# Altium PCB T1_Card.PcbDoc (part 2 of 6)
Units mil, origin at the board's own origin, x right, y up, seen from the top; angles counter-clockwise.
Board outline 3700.79 x 3582.68 mil, 6 copper layers (Layer 1, Layer 2, Layer 3, Layer 4, Layer 5, Layer 6), stack 65.8 mil thick; 365 components, 265 nets, 1177 pads, 1027 vias.
Unrouted connection lines stored in the file: 4.
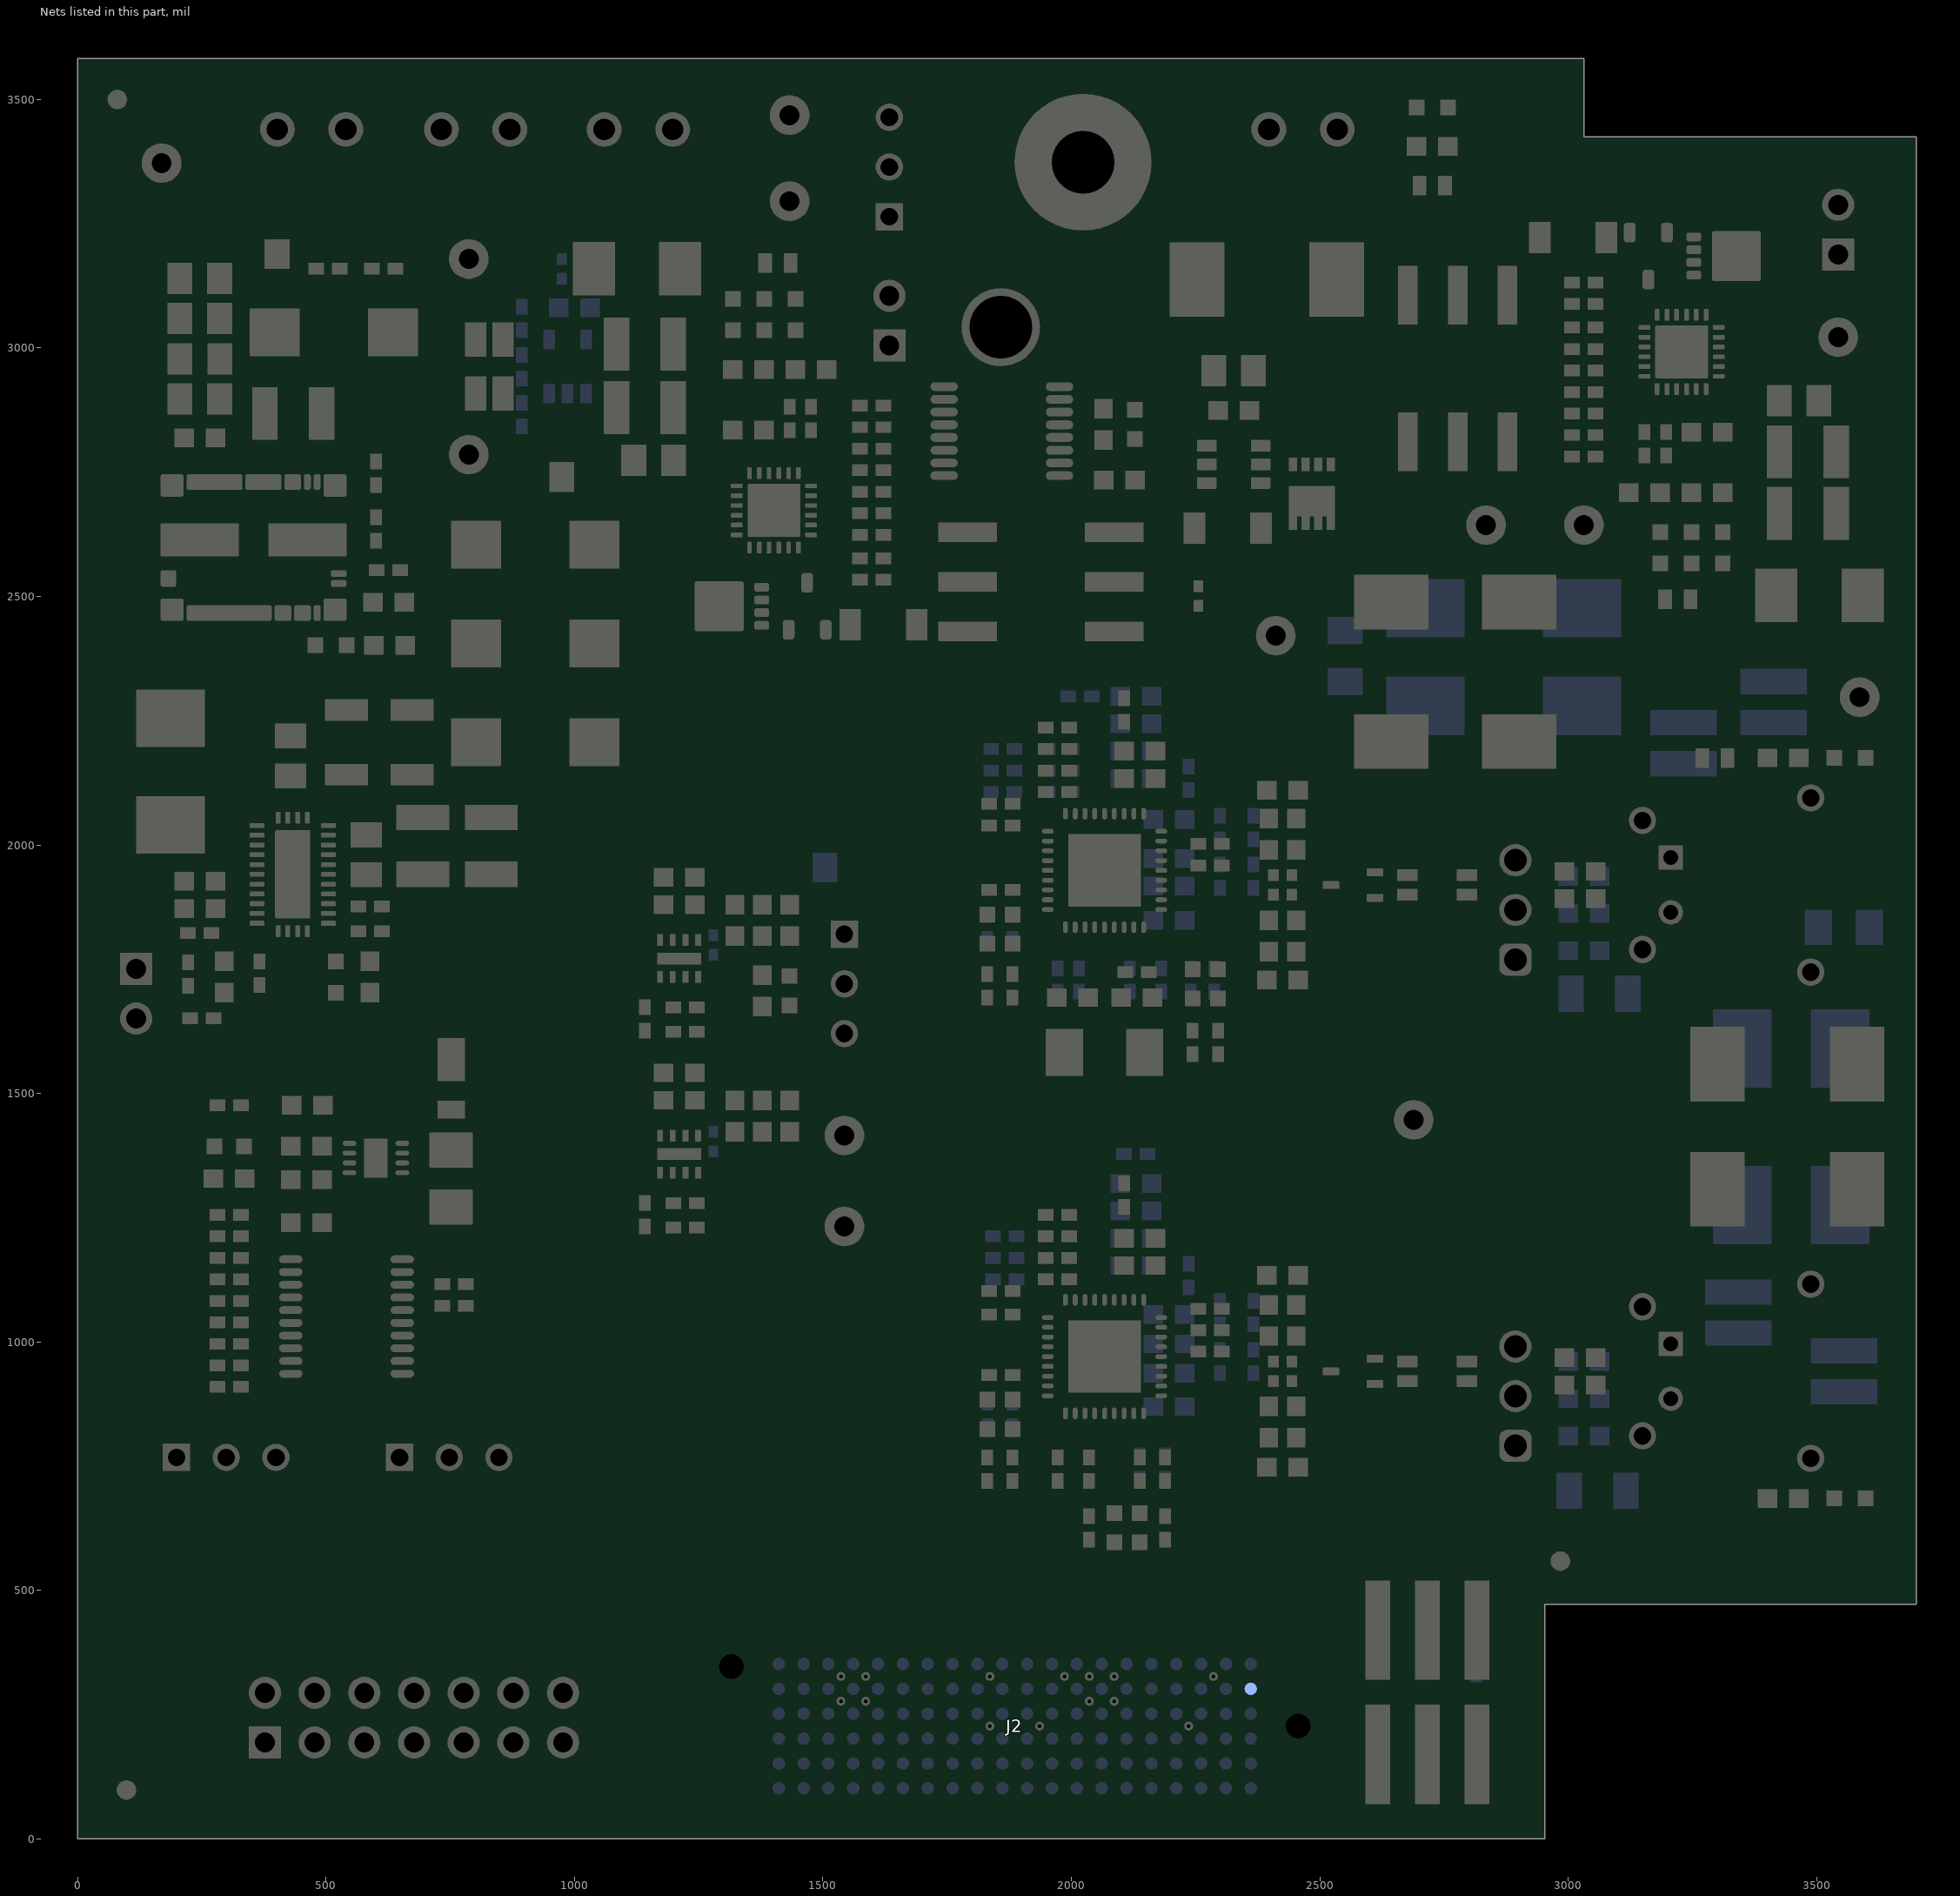
[diagram p6: the nets of this part, all layers, seen from the top]

## Footprints (in the part's own frame and the unit in brackets; to place one, negate y for a bottom-side part, rotate by r counter-clockwise, add the part's x,y. Pads: shape width x height; smd on the part's side, far side on the other; paste and mask are expansions set on the pad) (continued)
1206_190 [mm] "1206_190"
  rect 1.1x1.6 smd: 1(-1.7,0) 2(1.7,0)
  silkscreen extent -0.9,-1 0.9,1, body extent -1.75,-0.95 1.75,0.95, height 1.9
1210_220 [mm] "1210"
  rect 1.3x2.7 smd: 1(-1.45,0) 2(1.45,0)
  silkscreen extent -2.32,-1.57 2.32,1.57, body extent -1.7,-1.35 1.7,1.35, height 2.2
1210_270 [mm] "1210"
  rect 1.3x2.7 smd: 1(-1.45,0) 2(1.45,0)
  silkscreen extent -2.32,-1.57 2.32,1.57, body extent -1.7,-1.35 1.7,1.35, height 2.7
1210_280 [mm] "SMD, 2-Leads, Body 3.6x2.8mm, Height 2.8mm"
  rect 1.1x2.2 smd: 1(-1.65,0) 2(1.65,0)
  silkscreen extent -0.84,-1.4 0.84,1.4, body extent -1.8,-1.4 1.8,1.4, height 2.8
3216-18 [mm] "Based on AVX recommendation in http://www.avx.com/download/software/literature/AVX-Footprint-Library.pdf"
  rrect7% 1.4x1.8 smd: 1(-1.3,0) 2(1.3,0)
  silkscreen extent -1.9,-1.12 0.8,1.12, body extent -1.7,-0.9 1.7,0.9, height 1.82
3528-21 [mm] "Medium Density IPC, based on Kemet datasheet 2016-10-20"
  rrect6% 1.8x2.23 smd: 1(-1.46,0) 2(1.46,0)
  silkscreen extent -2.29,-1.5 0.76,1.5, body extent -1.85,-1.5 1.85,1.5, height 2.12
7343-31 [mm] "Medium Density based on Kemet T495 dimensions"
  rect 2.55x2.45 smd: 1(-3.025,0) 2(3.025,0)
  silkscreen extent -4.56,-2.3 3.8,2.3, body extent -3.8,-2.3 3.8,2.3, height 3.1
Apem_P36S10x [mm] "Apem Inc."
  rect 3x1 smd: 1(-3.75,2.54) 2(3.75,-2.54) 4(-3.75,-2.54) 8(3.75,2.54) C1(-3.75,0) C2(3.75,0)
  silkscreen extent -4.6,-3.7 3.7,3.78, body extent -3.7,-3.7 3.7,3.7, height 3.86
CONN_1751248 [mil] "Phoenix Contact"
  round 70 hole 43.31: 1(-68.9,0) 2(68.9,0)
  silkscreen extent -148,-142 148,146, body extent -148,-142 148,146, height 335
CONN_SBH11-PBPC-D07-ST-BK [mm] "Sullins recommended land pattern"
  rect 1.65x1.65 hole 1.016 mask+0: 1(-7.62,-1.27)
  round 1.65 hole 1.016 mask+0: 2(-7.62,1.27) 3(-5.08,-1.27) 4(-5.08,1.27) 5(-2.54,-1.27) 6(-2.54,1.27) 7(0,-1.27) 8(0,1.27) 9(2.54,-1.27) 10(2.54,1.27) 11(5.08,-1.27) 12(5.08,1.27) 13(7.62,-1.27) 14(7.62,1.27)
  silkscreen extent -12.64,-5.08 12.64,4.7, body extent -12.64,-4.4 12.64,4.7, height 9.12
DBV0005A_N [mm] "SOT23, 5-Leads, Body 2.9x1.6mm, Pitch 0.95mm, Lead Span 2.8mm, IPC Medium Density"
  rrect17% 1x0.6 smd: 1(-1.375,0.95) 2(-1.375,0) 3(-1.375,-0.95) 4(1.375,-0.95) 5(1.375,0.95)
  silkscreen extent -0.25,-1.55 0.25,1.55, body extent -1.42,-1.46 1.42,1.46, height 1.09
DBV0006A_N [mm] "SOT23, 6-Leads, Body 2.9x1.6mm, Pitch 0.95mm, Lead Span 2.8mm, IPC Medium Density"
  rrect17% 1x0.6 smd: 1(-1.375,0.95) 2(-1.375,0) 3(-1.375,-0.95) 4(1.375,-0.95) 5(1.375,0) 6(1.375,0.95)
  silkscreen extent -1.68,-1.55 0.5,1.55, body extent -1.42,-1.46 1.42,1.46, height 1.12
DCK0003A_N [mm] "SOT23, 3-Leads, Body 2.0x1.25mm, Pitch 0.65mm, Lead Span 2.1mm, IPC Medium Density"
  rrect25% 0.85x0.4 smd: 1(-1.125,0.65) 2(-1.125,-0.65) 3(1.125,0)
  silkscreen extent -1.02,-1.1 0.7,1.52, body extent -1.06,-1 1.06,1, height 1.1
Diode_0603 [mm] "Based on Bourns recommended land pattern Rev 10/09"
  rect 0.7x1 smd: 1(-0.65,0) 2(0.65,0)
  silkscreen extent -1.5,-0.8 0.9,0.8, body extent -0.9,-0.5 0.9,0.5, height 0.85
DQG0008A [mm] "SMD, 8-Leads, Body 3.3x3.3mm, Pitch 0.65mm"
  rrect45% 0.75x0.44 smd paste-0.05 mask-0.05: 1(-1.525,0.975) 2(-1.525,0.325) 3(-1.525,-0.325) 4(-1.525,-0.975) 5(1.525,-0.975) 6(1.525,-0.325) 7(1.525,0.325) 8(1.525,0.975)
  rrect15% 0.676x1.125 on Top Paste: 9(-0.212,-0.663) 9(-0.212,0.662) 9(0.664,-0.663) 9(0.664,0.662)
  rrect6% 1.775x2.45 on Top Solder: 9(0.327,0)
  rrect8% 2.5x2.55 smd paste-1.5 mask-1.5: 9(0.65,0)
  rrect29% 0.5x0.34 on Top Solder: 9(1.175,-0.975) 9(1.175,-0.325) 9(1.175,0.325) 9(1.175,0.975)
  silkscreen extent -1.8,-1.8 1.8,1.8, body extent -1.65,-1.65 1.65,1.65, height 1.1
DRG0008A [mm] "SON, 8-Leads, Body 3x3mm, Pitch 0.5mm, Thermal Pad 2x1.2mm, TI Recommended"
  oval 0.7x0.25 smd: 1(-1.35,0.75) 2(-1.35,0.25) 3(-1.35,-0.25) 4(-1.35,-0.75) 5(1.35,-0.75) 6(1.35,-0.25) 7(1.35,0.25) 8(1.35,0.75)
  rect 1.2x2 smd paste-0.6: 9(0,0)
  Drill Guide keep-out region: 0.6,-1 -0.6,-1 -0.6,-1.3 0.6,-1.3
  Drill Guide keep-out region: -0.6,1 0.6,1 0.6,1.3 -0.6,1.3
  silkscreen extent -1.7,-1.7 1.7,1.7, body extent -1.55,-1.55 1.55,1.55, height 0.81
FCC_disclaimer [mil]
Fiducial10-20 [mm]
  round 1 smd mask+0.5: 1(0,0)
  Layer 1 keep-out circle w1.178: c0,0 r0.5
Fischer_SL-11-112-03G [mm] "TH, 3-Leads, Body 2.5x7.62mm, Pitch 2.54mm"
  rect 1.4x1.4 hole 0.9: 1(-2.54,0)
  round 1.4 hole 0.9: 2(0,0) 3(2.54,0)
  silkscreen extent -4.58,-1.25 3.81,1.25, body extent -3.81,-1.25 3.81,1.25, height 8.4
FP-7448991068_SMT_10MM0_10MM0-MFG [mm]
  rrect3% 3x4 smd paste+0 mask+0: 1(-2.5,4) 2(-2.5,-4) 3(2.5,-4) 4(2.5,4)
  body extent -5,-5.35 5,5.35, height 4.13
FP-09452812800_HDR2-MFG#1 [mm]
  rrect8% 1.25x1.25 hole 0.75 paste-1000 mask+0: 1(1.4,5.4)
  round 1.25 hole 0.75 paste-1000 mask+0: 2(-1.4,5.4)
  round 1.4 hole 0.9 paste-1000 mask+0: 3(-3.3,6.85) 4(3.3,6.85) 5(-4.45,-1.75) 6(4.45,-1.75)
  body extent -5.25,-7.1 5.25,7.65, height 0.25
FP-09452812800_HDR2-MFG#2 [mm]
  rrect8% 1.25x1.25 hole 0.75 paste-1000 mask+0: 1(1.4,5.4)
  round 1.25 hole 0.75 paste-1000 mask+0: 2(-1.4,5.4)
  round 1.4 hole 0.9 paste-1000 mask+0: 3(-3.3,6.85) 5(-4.45,-1.75) 6(4.45,-1.75)
  round 1.4 hole 0.9 paste+0 mask+0: 4(3.3,6.85)
  body extent -5.25,-7.1 5.25,7.65, height 0.25
FP-DLW32MH201XK2_1210-MFG [mm]
  rect 1.05x0.6 smd paste+0 mask+0: 1(-1.525,-0.5) 2(1.525,-0.5) 3(1.525,0.5) 4(-1.525,0.5)
  body extent -2.15,-1.45 2.15,1.45, height 0.25
GCD-Logo_5.5x5.5_SolderMask [mil] "GCD-Logo, 5.55x5.55mm, SolderMask, 80µm, positive"
  Layer 1 region: -117.99,-117.99 118.23,-117.99 118.23,118.23 -117.99,118.23
IND_LQG15H [mm] "MuRata"
  rect 0.55x0.6 smd: 1(-0.475,0) 2(0.475,0)
  silkscreen extent -1.3,-0.3 -0.95,0.3, body extent -0.52,-0.27 0.52,0.27, height 0.55
Keystone5000 [mil] "For Keystone 500x miniature loop terminals"
  round 80 hole 40: 1(0,0)
  silkscreen extent -52,-52 52,52, body extent -49,-49 49,49, height 182
Keystone5001 [mil] "For Keystone 500x miniature loop terminals"
  round 80 hole 40: 1(0,0)
  silkscreen extent -52,-52 52,52, body extent -49,-49 49,49, height 182
Keystone5002 [mil] "For Keystone 500x miniature loop terminals"
  round 80 hole 40: 1(0,0)
  silkscreen extent -52,-52 52,52, body extent -49,-49 49,49, height 182
Label_650x200 [mil] "Thermal Transfer Label"
  round 1 on Mech13: 0(0,0)
  silkscreen extent -325,-100 325,100, body extent -325,-100 325,100, height 1
LED_LTST-C190_G [mm] "Lite-On"
  rect 0.8x0.8 smd: 1(-0.75,0) 2(0.75,0)
  silkscreen extent 1.38,-0.5 1.75,0.5, body extent -0.85,-0.45 0.85,0.45, height 0.9
"LG L29K_GREEN" [mm] "OSRAM"
  rect 0.8x0.8 smd paste-0.4: 1(-0.75,0) 2(0.75,0)
  silkscreen extent -0.1,-0.5 1.45,0.5, body extent -0.9,-0.45 0.9,0.45, height 0.67
LVK12 [mm] "Ohmite"
  rect 1.75x1.1 smd: 1(-1.375,0.7) 2(1.375,0.7) 3(-1.375,-0.7) 4(1.375,-0.7)
  silkscreen extent -0.25,-1.2 0.25,1.2, body extent -1.7,-0.9 1.7,0.9, height 0.65
"LY L29K_Yellow" [mm] "OSRAM"
  rect 0.8x0.8 smd paste-0.4: 1(-0.75,0) 2(0.75,0)
  silkscreen extent -0.1,-0.5 1.45,0.5, body extent -0.9,-0.45 0.9,0.45, height 0.67
Net-Tie_50milWide_30milLong [mil] "50mil net tie, no solder mask opening, no solder paste"
  rect 30x50 smd paste-20 mask-20: 1(-15,0) 2(15,0)
NetTie_0402 [mm] "Net Tie 0402 size"
  rect 0.6x0.5 smd paste-0.5: 1(-0.5,0) 2(0.5,0)
  Layer 1 region: -0.279,0.203 0.279,0.203 0.279,-0.203 -0.279,-0.203
PowerDI123 [mm] "Diodes Inc recommended land pattern, document number DS30628 Rev. 6-2"
  rect 2.2x1.4 smd: 1(-1.275,0)
  rect 0.9x1.4 smd: 2(1.275,0)
  silkscreen extent -3.1,-1.09 1.76,1.09, body extent -2.38,-0.97 1.52,0.96, height 1
PowerDI3333-8 [mm] "SMD, 8-Leads, Body 3.3x3.3mm, Pitch 0.65mm"
  rect 0.7x0.42 smd: 1(-1.5,0.975) 2(-1.5,0.325) 3(-1.5,-0.325) 4(-1.5,-0.975) 5(1.5,-0.975) 6(1.5,-0.325) 7(1.5,0.325) 8(1.5,0.975)
  rect 1.55x2.37 smd: 9(0.375,0)
  silkscreen extent -1.68,-1.68 1.68,1.9, body extent -1.68,-1.68 1.68,1.68, height 0.86
PW0016A_N [mm] "TSOP, 16-Leads, Body 5x4.4mm, Pitch 0.65mm, IPC Medium Density"
  oval 1.4x0.45 smd: 1(-2.95,2.275) 2(-2.95,1.625) 3(-2.95,0.975) 4(-2.95,0.325) 5(-2.95,-0.325) 6(-2.95,-0.975) 7(-2.95,-1.625) 8(-2.95,-2.275) 9(2.95,-2.275) 10(2.95,-1.625) 11(2.95,-0.975) 12(2.95,-0.325) 13(2.95,0.325) 14(2.95,0.975) 15(2.95,1.625) 16(2.95,2.275)
  silkscreen extent -3.5,-2.55 1.85,2.75, body extent -3.21,-2.5 3.21,2.5, height 1
PW0020A_L [mm] "TSOP, 20-Leads, Body 6.5x4.4mm, Pitch 0.65mm, IPC High Density"
  oval 1.2x0.4 smd: 1(-2.85,2.925) 2(-2.85,2.275) 3(-2.85,1.625) 4(-2.85,0.975) 5(-2.85,0.325) 6(-2.85,-0.325) 7(-2.85,-0.975) 8(-2.85,-1.625) 9(-2.85,-2.275) 10(-2.85,-2.925) 11(2.85,-2.925) 12(2.85,-2.275) 13(2.85,-1.625) 14(2.85,-0.975) 15(2.85,-0.325) 16(2.85,0.325) 17(2.85,0.975) 18(2.85,1.625) 19(2.85,2.275) 20(2.85,2.925)
  silkscreen extent -2,-3.3 1.85,3.3, body extent -3.21,-3.25 3.21,3.25, height 1
RGE0024H [mm] "QFN, 24-Leads, Body 4x4mm, Pitch 0.5mm, Thermal Pad 2.7x2.7mm, TI Recommended"
  rrect42% 0.6x0.24 smd: 1(-1.9,1.25) 2(-1.9,0.75) 3(-1.9,0.25) 4(-1.9,-0.25) 5(-1.9,-0.75) 6(-1.9,-1.25) 13(1.9,-1.25) 14(1.9,-0.75) 15(1.9,-0.25) 16(1.9,0.25) 17(1.9,0.75) 18(1.9,1.25)
  rrect42% 0.24x0.6 smd: 7(-1.25,-1.9) 8(-0.75,-1.9) 9(-0.25,-1.9) 10(0.25,-1.9) 11(0.75,-1.9) 12(1.25,-1.9) 19(1.25,1.9) 20(0.75,1.9) 21(0.25,1.9) 22(-0.25,1.9) 23(-0.75,1.9) 24(-1.25,1.9)
  rrect8% 1.19x1.19 on Top Paste: 25(-0.695,0.695) 25(-0.695,-0.695) 25(0.695,0.695) 25(0.695,-0.695)
  rrect4% 2.7x2.7 smd paste-1.35: 25(0,0)
  silkscreen extent -2.22,-2.22 2.22,2.22, body extent -2.07,-2.07 2.07,2.07, height 1.01
RLR0018A [mm] "B3QFN-18"
  rrect17% 1.15x1.17 smd paste-1.15 mask-1.15: 1(-3.175,4.165) 7(-3.175,-4.165) 10(3.175,-4.165) 15(3.175,4.165)
  rrect57% 0.8x0.35 smd paste-0.05 mask-0.05: 2(-3.35,3.25) 3(-3.35,2.75) 14(3.35,3.25)
  rrect25% 0.8x0.85 smd paste-0.5 mask-0.5: 4(-3.35,2) 12(3.35,1.5) 13(3.35,2.5)
  rrect25% 0.8x1.85 smd paste-0.5 mask-0.5: 5(-3.35,0.5)
  rrect25% 0.8x2.85 smd paste-0.5 mask-0.5: 6(-3.35,-2)
  rrect8% 1.7x4.005 smd paste-2 mask-2: 8(-0.395,-2.748) 18(-0.395,2.748)
  rrect25% 0.85x0.8 smd paste-0.5 mask-0.5: 9(1.58,-4.35)
  rrect25% 0.8x4.35 smd paste-0.5 mask-0.5: 11(3.35,-1.25)
  rrect57% 0.35x0.8 smd paste-0.05 mask-0.05: 16(1.83,4.35) 17(1.33,4.35)
  rrect40% 0.265x0.25 on Top Paste: ""(-3.568,3.75) ""(-3.568,-3.75) ""(3.568,3.75) ""(3.568,-3.75)
  rrect17% 0.585x0.61 on Top Paste: ""(-2.943,3.93) ""(-2.943,-3.93) ""(2.943,3.93) ""(2.943,-3.93)
  rrect40% 0.25x0.265 on Top Paste: ""(-2.775,4.568) ""(-2.775,-4.568) ""(2.775,4.568) ""(2.775,-4.568)
  rrect40% 0.25x0.29 on Top Paste: ""(-0.895,4.555) ""(-0.895,-4.555) ""(-0.395,4.555) ""(-0.395,-4.555) ""(0.105,4.555) ""(0.105,-4.555)
  rrect15% 0.67x0.71 on Top Paste: ""(-0.83,3.875) ""(-0.83,2.965) ""(-0.83,2.055) ""(-0.83,1.145) ""(-0.83,-1.145) ""(-0.83,-2.055) ""(-0.83,-2.965) ""(-0.83,-3.875) ""(0.04,3.875) ""(0.04,2.965) ""(0.04,2.055) ""(0.04,1.145) ""(0.04,-1.145) ""(0.04,-2.055) ""(0.04,-2.965) ""(0.04,-3.875)
  Layer 1 region: -3.65,-0.425 -3.688,-0.417 -3.721,-0.396 -3.742,-0.363 -3.75,-0.325 -3.75,-0.325 -3.75,1.325 -3.742,1.363 -3.721,1.396 -3.688,1.417 -3.65,1.425 -3.65,1.425 -2.5,1.425 -2.481,1.429 -2.465,1.44 -2.454,1.456 -2.45,1.475 -2.45,1.475 -2.45,4.7 -2.446,4.719 -2.435,4.735 -2.419,4.746 -2.4,4.75 -2.4,4.75 0.7,4.75 0.719,4.746 0.735,4.735 0.746,4.719 0.75,4.7 0.75,4.7 0.75,3.85 0.754,3.831 0.765,3.815 0.781,3.804 0.8,3.8 0.8,3.8 2.4,3.8 2.419,3.796 2.435,3.785 2.446,3.769 2.45,3.75 2.45,3.75 2.45,-3.75 2.446,-3.769 2.435,-3.785 2.419,-3.796 2.4,-3.8 2.4,-3.8 0.96,-3.8 0.941,-3.796 0.925,-3.785 0.914,-3.769 0.91,-3.75 0.91,-3.75 0.91,-0.475 0.906,-0.456 0.895,-0.44 0.879,-0.429 0.86,-0.425 0.86,-0.425
  Layer 1 region: -3.7,-4.75 -3.719,-4.746 -3.735,-4.735 -3.746,-4.719 -3.75,-4.7 -3.75,-4.7 -3.75,-0.675 -3.742,-0.637 -3.721,-0.604 -3.688,-0.583 -3.65,-0.575 -3.65,-0.575 0.71,-0.575 0.729,-0.579 0.745,-0.59 0.756,-0.606 0.76,-0.625 0.76,-0.625 0.76,-4.7 0.756,-4.719 0.745,-4.735 0.729,-4.746 0.71,-4.75 0.71,-4.75
  body extent -3.5,-4.5 3.5,4.5, height 4.1
RND0036A [mm] "TI"
  oval 0.6x0.25 smd: 1(-2.9,2) 2(-2.9,1.5) 3(-2.9,1) 4(-2.9,0.5) 5(-2.9,0) 6(-2.9,-0.5) 7(-2.9,-1) 8(-2.9,-1.5) 9(-2.9,-2) 19(2.9,-2) 20(2.9,-1.5) 21(2.9,-1) 22(2.9,-0.5) 23(2.9,0) 24(2.9,0.5) 25(2.9,1) 26(2.9,1.5) 27(2.9,2)
  oval 0.25x0.6 smd: 10(-2,-2.9) 11(-1.5,-2.9) 12(-1,-2.9) 13(-0.5,-2.9) 14(0,-2.9) 15(0.5,-2.9) 16(1,-2.9) 17(1.5,-2.9) 18(2,-2.9) 28(2,2.9) 29(1.5,2.9) 30(1,2.9) 31(0.5,2.9) 32(0,2.9) 33(-0.5,2.9) 34(-1,2.9) 35(-1.5,2.9) 36(-2,2.9)
  rect 3.7x3.7 smd paste-1.85: 37(0,0)
  silkscreen extent -3.17,-3.18 3.18,3.2, body extent -3,-3 3,3, height 0.81
RNP0030B [mm] "QFN, 30-Leads, Body 6x4mm, Pitch 0.5mm, Thermal Pad 1.8x4.5mm"
  rrect40% 0.75x0.25 smd: 1(-1.825,2.5) 2(-1.825,2) 3(-1.825,1.5) 4(-1.825,1) 5(-1.825,0.5) 6(-1.825,0) 7(-1.825,-0.5) 8(-1.825,-1) 9(-1.825,-1.5) 10(-1.825,-2) 11(-1.825,-2.5) 16(1.825,-2.5) 17(1.825,-2) 18(1.825,-1.5) 19(1.825,-1) 20(1.825,-0.5) 21(1.825,0) 22(1.825,0.5) 23(1.825,1) 24(1.825,1.5) 25(1.825,2) 26(1.825,2.5)
  rrect40% 0.25x0.6 smd: 12(-0.75,-2.9) 13(-0.25,-2.9) 14(0.25,-2.9) 15(0.75,-2.9) 27(0.75,2.9) 28(0.25,2.9) 29(-0.25,2.9) 30(-0.75,2.9)
  rrect12% 0.8x0.94 on Top Paste: 31(-0.5,-1.71) 31(-0.5,-0.57) 31(-0.5,0.57) 31(-0.5,1.71) 31(0.5,-1.71) 31(0.5,-0.57) 31(0.5,0.57) 31(0.5,1.71)
  rrect5% 1.8x4.5 smd paste-3: 31(0,0)
  silkscreen extent -2.17,-3.17 2.17,3.17, body extent -2,-3 2,3, height 0.8
Samtec_SEAM-20-03_0-x-06-2-A-K [mm] "Header(shrouded), 1.27mm, 20x6, SMT"
  round 0.64 smd: 1(-3.175,12.065) 2(-1.905,12.065) 3(-0.635,12.065) 4(0.635,12.065) 5(1.905,12.065) 6(3.175,12.065) 7(-3.175,10.795) 8(-1.905,10.795) 9(-0.635,10.795) 10(0.635,10.795) 11(1.905,10.795) 12(3.175,10.795) 13(-3.175,9.525) 14(-1.905,9.525) 15(-0.635,9.525) 16(0.635,9.525) 17(1.905,9.525) 18(3.175,9.525) 19(-3.175,8.255) 20(-1.905,8.255) 21(-0.635,8.255) 22(0.635,8.255) 23(1.905,8.255) 24(3.175,8.255) 25(-3.175,6.985) 26(-1.905,6.985) 27(-0.635,6.985) 28(0.635,6.985) 29(1.905,6.985) 30(3.175,6.985) 31(-3.175,5.715) 32(-1.905,5.715) 33(-0.635,5.715) 34(0.635,5.715) 35(1.905,5.715) 36(3.175,5.715) 37(-3.175,4.445) 38(-1.905,4.445) 39(-0.635,4.445) 40(0.635,4.445) 41(1.905,4.445) 42(3.175,4.445) 43(-3.175,3.175) 44(-1.905,3.175) 45(-0.635,3.175) 46(0.635,3.175) 47(1.905,3.175) 48(3.175,3.175) 49(-3.175,1.905) 50(-1.905,1.905) 51(-0.635,1.905) 52(0.635,1.905) 53(1.905,1.905) 54(3.175,1.905) 55(-3.175,0.635) 56(-1.905,0.635) 57(-0.635,0.635) 58(0.635,0.635) 59(1.905,0.635) 60(3.175,0.635) 61(-3.175,-0.635) 62(-1.905,-0.635) 63(-0.635,-0.635) 64(0.635,-0.635) 65(1.905,-0.635) 66(3.175,-0.635) 67(-3.175,-1.905) 68(-1.905,-1.905) 69(-0.635,-1.905) 70(0.635,-1.905) 71(1.905,-1.905) 72(3.175,-1.905) 73(-3.175,-3.175) 74(-1.905,-3.175) 75(-0.635,-3.175) 76(0.635,-3.175) 77(1.905,-3.175) 78(3.175,-3.175) 79(-3.175,-4.445) 80(-1.905,-4.445) 81(-0.635,-4.445) 82(0.635,-4.445) 83(1.905,-4.445) 84(3.175,-4.445) 85(-3.175,-5.715) 86(-1.905,-5.715) 87(-0.635,-5.715) 88(0.635,-5.715) 89(1.905,-5.715) 90(3.175,-5.715) 91(-3.175,-6.985) 92(-1.905,-6.985) 93(-0.635,-6.985) 94(0.635,-6.985) 95(1.905,-6.985) 96(3.175,-6.985) 97(-3.175,-8.255) 98(-1.905,-8.255) 99(-0.635,-8.255) 100(0.635,-8.255) 101(1.905,-8.255) 102(3.175,-8.255) 103(-3.175,-9.525) 104(-1.905,-9.525) 105(-0.635,-9.525) 106(0.635,-9.525) 107(1.905,-9.525) 108(3.175,-9.525) 109(-3.175,-10.795) 110(-1.905,-10.795) 111(-0.635,-10.795) 112(0.635,-10.795) 113(1.905,-10.795) 114(3.175,-10.795) 115(-3.175,-12.065) 116(-1.905,-12.065) 117(-0.635,-12.065) 118(0.635,-12.065) 119(1.905,-12.065) 120(3.175,-12.065)
  round 0 hole 1.27 unplated: MH1(0,14.49) MH2(3.05,-14.49)
  silkscreen extent -5.2,-15.19 4.8,16.08, body extent -4.8,-15.19 4.8,16.08, height 6.6
SIL0008A [mm] "POS, 8-Leads, Body 2.5x3.0mm, Pitch 0.65mm, NSC Recommended"
  rect 0.6x0.3 smd mask+0.07: 1(-0.95,0.975) 2(-0.95,0.325) 3(-0.95,-0.325) 4(-0.95,-0.975) 5(0.95,-0.975) 6(0.95,-0.325) 7(0.95,0.325) 8(0.95,0.975)
  rect 0.6x2.25 smd paste-0.3 mask+0.07: 9(0,0)
  silkscreen extent -1.45,-1.7 1.45,1.7, body extent -1.3,-1.5 1.3,1.5, height 1.43
SMB [mil] "Molded Diode, 2-Leads, Body 5.4x3.6mm, IPC Medium Density, based on OnSemi component dimensions"
  rect 85x107.99 smd: 1(-87.01,0) 2(87.01,0)
  silkscreen extent -155,-82 125,82, body extent -106,-71 106,71, height 91
SMC [mil] "Molded Diode, 2-Leads, Body 6.9x5.8mm, IPC Medium Density, based on OnSemi component dimensions and land patterns"
  rect 110x150 smd: 1(-140.49,0) 2(140.49,0)
  silkscreen extent -221,-123 189,124, body extent -156,-116 156,116, height 91
SMC_Bi [mil] "SMC, no polarity mark"
  rect 110x150 smd: 1(-140.49,0) 2(140.49,0)
  body extent -156,-116 156,116, height 92
SOT-23 [mm] "SOT23, 3-Leads, Body 2.9x1.3mm, Pitch 0.95mm, Lead Span 2.5mm, IPC Medium Density"
  rrect50% 1x0.6 smd: 1(-1.2,0.95) 2(-1.2,-0.95) 3(1.2,0)
  silkscreen extent -1.63,-1.5 0.7,1.5, body extent -1.16,-1.45 1.21,1.45, height 1
Sullins_GBC03DABN-M30 [mil] "Header, 2.54mm, 3x2, SMT"
  rect 200x50 smd: 1(-125,100) 2(125,100) 3(-125,0) 4(125,0) 5(-125,-100) 6(125,-100)
  silkscreen extent -102,-155 98,176, body extent -210,-150 210,150, height 390
Sullins_PBC02SAAN [mm] "Sullins 100mil, 1x2, 230 mil above insulator"
  rect 1.65x1.65 hole 1.016: 1(0,1.27)
  round 1.65 hole 1.016: 2(0,-1.27)
  silkscreen extent -1.37,-2.54 1.27,3.1, body extent -1.27,-2.54 1.27,2.54, height 8.38
TP_VIA_018RND008 [mil] "TP_VIA_018RND008"
  round 18 hole 8: 1(0,0)
WE-LHMI_7030 [mm] "Wurth"
  rect 2.95x3.5 smd: 1(-2.725,0) 2(2.725,0)
  silkscreen extent -3.55,-3.55 3.55,3.55, body extent -3.8,-3.45 3.8,3.45, height 3
WE-MAPI_3020 [mm] "SMD, 2-Leads, Body 3.2x3.2mm"
  rect 1.3x3.4 smd: 1(-1.05,0) 2(1.05,0)
  silkscreen extent -0.1,-1.6 0.1,1.6, body extent -1.6,-1.6 1.6,1.6, height 2
WEEE_Minimum [mil] "WEEElie bin"
  silkscreen extent -95,-172 99,104
WL-SMCW_Blue [mm] "SMD, 2-Leads, Body 1.6x0.8mm"
  rect 0.8x0.8 smd: 1(-0.8,0) 2(0.8,0)
  silkscreen extent -1.9,-0.8 1.2,0.8, body extent -0.85,-0.45 0.85,0.45, height 0.8
WL-SMCW_GREEN [mm] "WURTH"
  rect 0.8x0.8 smd: 1(-0.8,0) 2(0.8,0)
  silkscreen extent -1.9,-0.8 1.2,0.8, body extent -0.85,-0.45 0.85,0.45, height 0.8
WL-SMCW_RED [mm] "WURTH"
  rect 0.8x0.8 smd: 1(-0.8,0) 2(0.8,0)
  silkscreen extent -1.9,-0.8 1.2,0.8, body extent -0.85,-0.45 0.85,0.45, height 0.8
WURTH_61300311121 [mm] "Header, 2.54mm, 3x1, TH"
  rrect50% 1.65x1.65 hole 1.15: 1(-2.54,0)
  round 1.65 hole 1.15: 2(0,0) 3(2.54,0)
  body extent -3.81,-1.27 3.81,1.27, height 8.54
XTAL_ABM3 [mm] "Abracon recommended land pattern 12.28.10"
  rect 1.9x2.4 smd: 1(-2.05,0) 2(2.05,0)
  silkscreen extent -2.67,-1.78 2.67,1.78, body extent -2.6,-1.7 2.6,1.7, height 1.3
